# KiCad board jetson-orin-baseboard.kicad_pcb (continued)
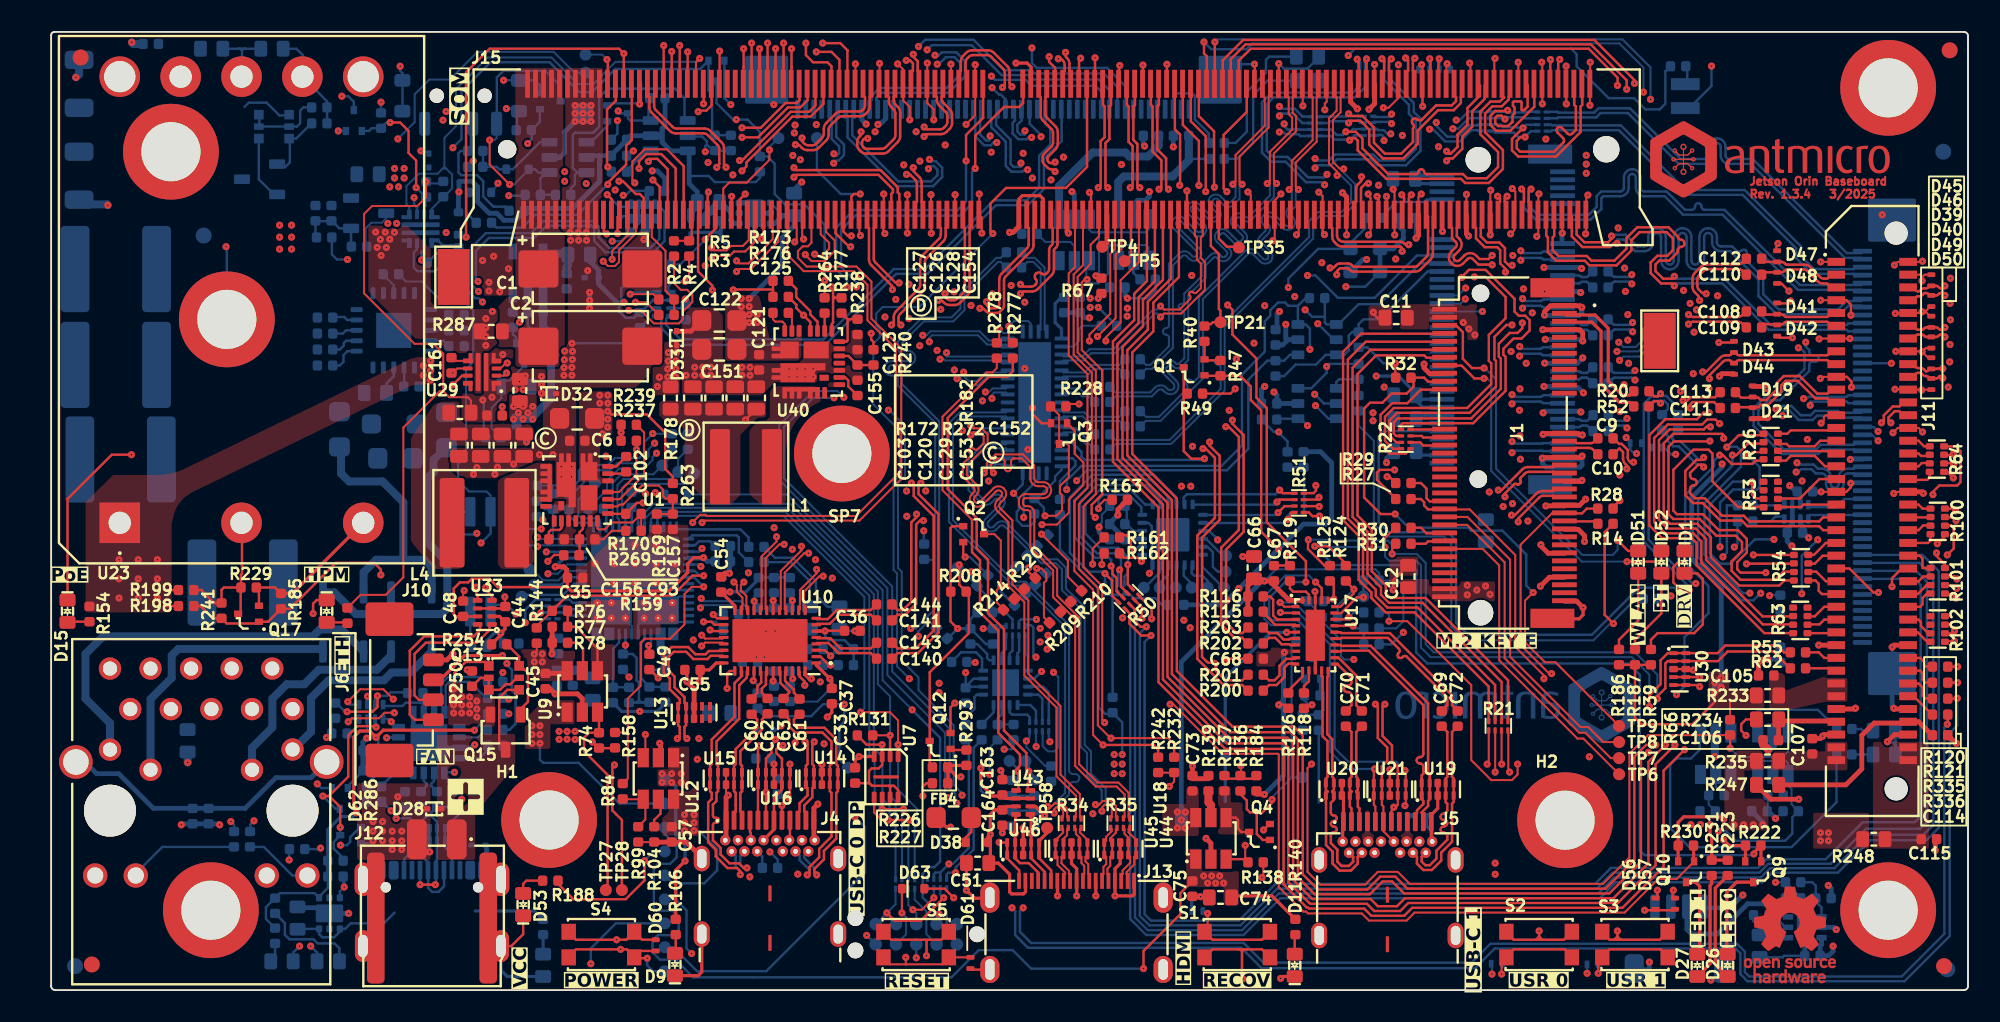
[diagram p0: board, top side]
## Routing (per net, layer and track width the routed paths; a pad name or vN(x,y) marks a point on that pad's centre or on a via; arc(x,y) is an arc through that point) (continued)
  Bottom w0.5: 30.8,43.55 C83.1 30.8,41.53 31.3,41.03 31.3,37.05 30.03,35.78 29.14,35.78
  vias: v1(28.95,36.55) v1(28.95,35.75) v1(29.25,36.15) v1(29.55,36.55) v1(29.55,35.75) v1(29.85,36.15) v1(30.15,36.55) v1(30.15,35.75) v1(30.25,20.55) v1(30.75,21.05) v1(30.75,20.55) v1(39.65,10.98) v1(39.65,10.48) v1(39.65,9.98) v1(40.25,10.98) v1(40.25,10.48) v1(40.25,9.98) v1(67.38,42.7) v1(67.36,42.2) v1(105.35,10.35) v1(105.95,10.35) v1(106.55,10.35)
+5V_SoM: length 42.4
  Top w0.125: 24.55,37.5 24.55,39.85 23.93,40.47 22.75,40.47 19.59,43.63 19.59,48.6 20.09,49.1 22.92,49.1 23.47,49.64 v1(23.47,50.62) ; 24.55,37.5 24.33,37.5 22.05,35.22 22.05,25.85 20.95,24.75 19.37,24.75 R286.2 ; 24.55,37.5 24.92,37.12 26.08,37.12 26.29,36.91 R172.2
  Bottom w0.125: 24.45,50.51 23.58,50.51 v1(23.47,50.62) ; R181.2 27.08,34.72 27.08,36.89 v1(27.02,36.95)
  vias: v1(27.6,37.12) v1(28.27,39.8) v1(29.05,37.6) v1(29.32,38.1) v1(29.55,37.6) v1(29.68,38.46) v1(30.7,38.42) v1(30.7,37.92) v1(30.7,37.38)
/Ethernet/VDD: length 1.6
  Top w0.15: 7.97,24.05 7.15,24.05 ; 7.97,25.05 7.15,25.05
  vias: v1(4.25,26.95) v1(4.25,25.75) v1(4.25,24.55) v1(5.45,26.95) v1(5.45,25.75) v1(5.45,24.55) v1(6.65,26.95) v1(6.65,25.75) v1(6.65,24.55) v1(23.3,39.1) v1(23.3,38.5) v1(23.76,39.4) v1(23.76,38.8) v1(23.75,38.2)
/HDMI/5V_HDMI: length 14.7
  Top w0.155: 59.92,11.5 60.56,11.5
  Top w0.2: v1(58.8,9.75) 58.8,11 59.08,11.28 59.55,11.28 59.77,11.5 60.56,11.5 ; v1(58.8,9.75) 58.8,8.05 C51.1 59.3,7.95 60,7.25 60,6.15 60.12,6.03 60.88,6.03 61,6.15 61,6.75 ; v1(58.8,9.75) 58.65,9.6 D38.1
  Bottom w0.155: 61.55,11.23 60.15,11.23
  Bottom w0.2: 60.15,11.23 59.03,11.23 58.8,11 v1(58.8,9.75)
/M.2/3V3_M2: length 24.2
  In1.Cu w0.2: v1(76.55,37.45) 77.55,38.45 v1(82.95,38.45)
  Bottom w0.2: 87.03,36.5 85.85,36.5 85.45,36.9 C22.1 ; 87.03,37 85.7,37 C22.1 ; C22.1 85.45,37.35 84.35,38.45 v1(82.95,38.45) ; 87.03,33.5 85.7,33.5 C24.1 ; 87.03,50.5 85.7,50.5 C21.1 85.6,51 87.03,51 ; 87.03,36 85.7,36 C23.1 85.7,35.5 87.03,35.5
  Bottom w0.3: v1(76.55,37.45) 76.73,37.27 76.73,36.73 U2.5
/Peripherals/1V8_CONN: length 4.7
  Top w0.3: 108.25,16.85 111.7,16.85 ; R234.2 108.15,15.67
/Peripherals/3V3_STDB_CONN: length 12.7
  Top w0.3: 116.17,16.72 114.12,16.72 113.35,15.95 113.35,13.85 112.35,12.85 R247.1 ; 117.74,15.96 116.9,16.8 116.25,16.8
/Supply/1V8_LDO: length 2.8
  Bottom w0.5: C142.2 32.28,45.29 32.35,45.36 R276.1 32.27,46.12 30.92,46.12 30.8,46.25
/Supply/3V3_BOOT: length 1.2
  Top w0.125: U40.23 46.38,42.19 C125.2
/Supply/3V3_EN: length 1.1
  Top w0.15: U40.19 48.42,42.39 R264.2
/Supply/3V3_FB: length 3
  Top w0.15: 49.86,42.01 R177.1 ; 49.86,42.01 R238.2 ; 49.86,42.01 49.86,40.68 49.79,40.61 U40.17
/Supply/3V3_LDO: length 3.7
  Bottom w0.3: 43.08,48 42.77,48 42.55,48.22 42.55,48.71 41.91,49.35 R273.1
  Bottom w0.5: 41.9,49.3 R273.1 40.97,48.47 40.97,48.15
/Supply/3V3_MODE1: length 8.5
  Top w0.15: R176.2 46.65,42.91 46.65,42.71 v1(47.1,42.26) 47.53,41.83 U40.21 ; v1(51.34,41.13) 51.34,40.73 51.48,40.59 R240.1
  In1.Cu w0.15: v1(47.1,42.26) 50.2,42.26 v1(51.34,41.13)
/Supply/3V3_MODE2: length 3.9
  Top w0.15: R173.2 46.64,43.92 46.64,43.39 47.53,42.52 47.53,42.31 47.97,41.86 47.97,41.28
/Supply/3V3_OUT: length 15.7
  Top w0.15: 49.05,43.35 48.95,43.25 ; 49.05,43.35 R177.2 ; 49.05,43.35 48.95,43.45 ; 48.95,43.25 48.95,43.45 ; 48.95,43.25 48.95,41.79 48.88,41.72 U40.18 ; 48.95,43.45 48.95,43.96 v1(48.88,44.03) ; C154.2 v1(43.47,35.71)
  In5.Cu w0.15: v1(43.47,35.71) 45.14,37.38 45.14,41.4 46.73,42.99 47.84,42.99 v1(48.88,44.03)
/Supply/3V3_PHASE: length 1.7
  Top w0.125: U40.24 45.92,41.72 45.78,41.86 45.33,41.86 45.19,42 C125.1
/Supply/3V3_VDD: length 2.4
  Top w0.15: U40.15 49.91,39.71 C123.2 R240.2
/Supply/3V3_VDRV: length 1.8
  Top w0.15: C155.2 49.9,37.81 49.9,38.18 49.72,38.36 U40.12
/Supply/5V_BOOT: length 1.2
  Top w0.15: U1.23 35.89,32.34 C102.2
/Supply/5V_EN: length 7.1
  Top w0.125: U1.19 35.47,30.29 35.58,30.4 35.8,30.4 36.99,31.59 38.05,31.59 38.31,31.33 38.31,30.93 38.47,30.77 R263.1 C157.1 R169.2
/Supply/5V_FB: length 4.7
  Top w0.125: R269.2 R170.1 36.4,29.28 35.09,29.28 34.66,28.85 34.26,28.85 34.2,28.92 U1.17
/Supply/5V_GATE: length 5.9
  Bottom w0.125: Q5.3 29.57,39.16 29.57,39.05 28.69,38.17 28.35,38.17 28.18,38 Q6.1 28.18,37.06 27.57,36.44 27.57,35.19 R181.1
/Supply/5V_MODE1: length 18.3
  Top w0.125: R237.2 v1(36.64,33.85) 36.64,32.27 35.56,31.19 U1.21
  Top w0.15: 32.14,27.25 31.5,27.25 v1(31.1,26.85)
  In1.Cu w0.15: v1(31.1,26.85) 31.1,26.85 33.6,29.35 37.16,29.35 38.28,30.47 38.28,32.22 v1(36.64,33.85)
/Supply/5V_MODE2: length 6.2
  Top w0.125: U1.20 35.59,30.74 37.12,32.27 37.12,34.92 R239.2
/Supply/5V_OUT: length 13
  Top w0.15: U1.18 34.88,29.82 R170.2 36.67,30.51 v1(37.06,30.51)
  In1.Cu w0.15: v1(37.06,30.51) 34.35,30.51 33.58,31.28 33.58,34.1 33.36,34.32 v1(29.76,34.32)
/Supply/5V_PHASE: length 1.4
  Top w0.15: U1.24 35.38,32.79 C102.1
/Supply/5V_VDD: length 2.2
  Top w0.15: 33.1,27.25 33.08,27.25 C93.2 33.08,28.67 33.3,28.89 U1.15
/Supply/5V_VDRV: length 1.8
  Top w0.15: U1.12 31.95,28.92 31.83,28.81 31.29,28.81 31.16,28.68 C156.2
/Supply/VCC_IN: length 7.6
  Top w0.15: 27.4,20.32 27.17,20.55 25.95,20.55 25.25,19.85 25.25,18.85
  Bottom w0.15: 13,53.32 13,50.77 13.94,49.83 Q16.2
  vias: v1(14.3,47.9) v1(14.3,47.15) v1(14.3,46.4) v1(15.05,47.9) v1(15.05,47.15) v1(15.05,46.4) v1(25.2,18.85) v1(25.2,18.35) v1(25.2,17.85) v1(25.2,17.35) v1(25.7,18.35) v1(25.7,17.85) v1(25.7,17.35) v1(26.2,18.35) v1(26.2,17.85) v1(26.2,17.35) v1(26.65,18.1) v1(26.65,17.6) v1(26.65,17.1) v1(31.8,16.2) v1(31.8,15.7) v1(32.3,16.2) v1(32.3,15.71) v1(32.8,16.2) v1(32.8,15.69)
GND: length 597.2
  Top w0.125: 87.35,56.74 87.35,57.97 v1(87.39,58.01) ; v1(94.84,57.86) 94.85,57.85 94.85,56.74 ; C93.1 34.57,28.23 35.1,28.76 R269.1 ; v1(83.4,55.25) 83.72,55.25 84.35,55.87 84.35,56.74 ; v1(57.85,57.95) 57.85,57.95 57.85,54.78 v1(57.28,54.21) ; v1(52.19,47.38) 52.1,47.47 52.1,48.54 ; 116.25,44.8 116.98,44.8 117.13,44.65 ; v1(91.84,58.1) 91.85,58.09 91.85,56.74 ; 82.85,58.04 82.85,56.74 ; 58.1,48.54 58.26,48.38 v1(58.26,47.4) ; v1(117.12,39.97) 117.5,39.6 117.7,39.6 ; v1(117.12,39.97) 117.35,40.2 117.7,40.2 ; v1(117.12,39.97) 117.1,40 J11.16 v1(115.47,40) ; v1(115.35,31.1) 115.45,31.2 J11.38 ; v1(81.1,47.29) 81.1,47.29 81.1,48.54 ; 117.7,37.6 117.12,37.6 v1(117.1,37.58) 117.07,37.6 J11.22 ; 91.6,48.54 91.6,47.59 v1(91.36,47.36) ; v1(91.47,50.19) 91.66,50 91.66,48.61 ; 88.6,48.54 88.6,49.83 v1(88.6,49.83) ; v1(110.8,31.2) J11.37 112.25,31.2 ; 117.7,44.8 117.29,44.8 117.13,44.64 117.13,44.47 ; v1(110.78,43.2) 111.75,43.2 ; 27.88,38.47 28.34,38.47 v1(28.51,38.64) ; v1(76.99,49.85) 76.6,49.46 76.6,47.05 v1(76.48,46.93) ; v1(96.33,55.41) 96.33,56.73 ; v1(85.77,49.85) 85.6,49.68 85.6,48.54 ; v1(58.1,49.85) 58.1,48.55 ; v1(117.15,45.64) 117.11,45.6 115.59,45.6 v1(115.39,45.4) ; 78.1,48.54 78.1,47.44 v1(77.96,47.3) ; v1(53.6,47.4) 53.6,47.41 53.6,48.54 ; 111.75,36 111.1,36 110.97,35.87 110.97,35.67 v1(110.8,35.5) ; v1(53.75,54.5) 53.75,55.3 53.35,55.7 53.35,57.64 v1(52.99,58) ; v1(93.35,55.5) 93.35,55.5 93.35,58.06 v1(93.31,58.1) ; 25.23,38.47 C161.1 ; v1(79.73,55.13) 79.73,55.51 79.85,55.63 79.85,56.74 ; v1(115.45,42.38) 116.22,42.38 ; v1(93,47.2) 93.1,47.3 93.1,49.82 v1(93.14,49.86) ; v1(52.12,49.85) 52.12,48.57 ; v1(79.36,49.96) 79.6,49.73 79.6,48.54 ; 50.6,48.54 50.6,47.32 v1(50.66,47.25) ; v1(110.78,45.6) 111.75,45.6 ; 90.1,48.54 90.1,50.07 v1(90.12,50.09) ; v1(90.39,58.34) 90.35,58.3 90.35,56.74 ; R237.1 v1(35.68,34.92) R239.1 ; v1(110.68,40.78) 110.7,40.8 v1(112.6,40.8) ; 111.75,38.4 110.85,38.4 v1(110.75,38.3) ; 96.1,48.54 96.1,49.68 v1(96.2,49.78) ; 94.6,48.54 94.6,47.4 v1(94.6,47.4) ; v1(96.06,47.36) 96.1,47.4 96.1,48.54 ; v1(117.12,42.47) 117.34,42.47 117.62,42.2 ; v1(117.12,42.47) 117.05,42.4 116.25,42.4 ; v1(117.12,42.47) 117.31,42.47 117.63,42.8 ; v1(56.33,57.98) 56.33,56.76 ; v1(82.45,49.85) 82.45,49.76 82.6,49.61 82.6,49.61 82.6,47.41 v1(82.48,47.29) ; v1(55.08,49.81) 55.08,48.56 ; 78.35,56.74 78.35,55.38 v1(78.36,55.37) ; U29.8 25.42,38.92 v1(25.15,38.65) ; 50.35,57.55 50.35,57.55 v1(50.35,58) ; v1(115.43,37.62) 116.22,37.62 ; 88.85,56.74 88.85,58 v1(88.8,58.05) ; v1(117.15,34.95) 116.9,35.2 115.6,35.2 v1(115.3,34.9) ; 55.1,48.54 55.1,47.39 v1(55.1,47.39) ; 96.35,56.74 96.35,58.1 v1(96.35,58.1) ; v1(84.01,50.15) 84.1,50.06 84.1,47.3 v1(84.11,47.29) ; v1(54.85,58.05) 54.85,58.05 54.85,55.55 55.25,55.15 v1(55.25,54.5) ; v1(51.86,58.03) 51.86,56.76 ; 85.81,58 85.85,57.96 85.85,56.74 ; 36.75,9.27 37.75,9.27 ; v1(53.6,49.8) 53.6,48.55 ; v1(56.59,49.81) 56.59,48.55 ; v1(25.86,25.01) 25.79,24.95 C48.1 ; 87.1,47.4 87.1,48.54 ; v1(74.92,49.98) 75.1,49.8 75.1,48.54
  Top w0.13: U15.8 42.25,12.34 v1(42.39,12.2) ; 79.14,22.2 79.14,24.41
  Top w0.15: v1(84.02,25.07) 84.02,25.67 C12.2 ; v1(79.12,24.96) 79.14,24.94 79.14,24.41 ; SP7.1 49.25,33.85 ; v1(54.57,12.16) 54.57,12.73 54.79,12.95 55.17,12.95 ; D61.1 57.62,1.28 58.77,1.28 ; v1(112.66,31.74) 112.66,31.48 112.38,31.2 J11.37 ; v1(83.8,13.8) U21.8 83.8,12.19 ; v1(115.24,25.26) 115.24,25.79 115.85,26.4 ; 111.75,38.4 112.42,38.4 112.7,38.12 v1(112.7,37.75) ; 108.05,43 108.75,43 v1(108.9,43.15) ; v1(42.7,43.85) 42.72,43.87 45.19,43.87 ; 108,46.35 108,46.65 v1(108.1,46.75) ; 64.35,56.74 64.35,58.25 v1(64.45,58.36) ; 62.85,56.74 62.85,57.75 62.48,58.12 v1(62.48,58.45) ; v1(102.8,20.04) 102.74,20.1 U30.8 101.56,20.1 ; D48.2 108.31,44.25 v1(108.79,43.78) ; 77.55,26.58 76.55,26.58 ; 85.85,56.74 85.85,55.35 v1(85.86,55.34) ; v1(38,19.55) 37.48,20.06 37.45,20.06 ; v1(37.31,2) 36.55,2 S4.4 ; 36.5,2.05 36.9,2.45 37.95,2.45 ; 77.33,26.66 v1(77.33,27.22) ; v1(26.05,20.05) 26.35,19.75 ; 57.1,28.05 57.1,27.24 v1(57.22,27.12) ; v1(99.75,5) 101.5,5 ; 66.85,56.74 66.85,57.85 v1(66.9,57.9) ; 56.3,16.05 56.3,17.7 v1(56.58,17.97) ; 76.85,56.74 76.85,58.02 v1(76.85,58.02) ; 68.35,56.74 68.35,57.92 v1(68.35,57.92) ; v1(65.35,58.38) 65.35,58.38 65.35,56.74 ; v1(114.39,24.9) 114.07,24.9 112.57,26.4 J11.49 ; v1(71.1,50.05) 71.1,49.36 71.1,49.35 71.1,48.54 ; 44.6,48.54 44.6,47.2 v1(44.45,47.05) ; 75.35,56.74 75.35,57.96 v1(75.33,57.98) ; 62.6,35.5 62,35.5 61.43,36.07 v1(61.43,36.45) ; v1(79.71,47.31) 79.6,47.42 79.6,48.54 ; v1(82.77,42.45) 82.77,42.36 83.05,42.08 83.47,42.08 ; 45.19,43.87 R176.1 ; 45.19,43.87 R173.1 ; 48.25,12.86 U14.8 v1(48.25,14.12) ; 28.16,2.75 28.8,2.75 29.55,3.5 D53.1 ; v1(69.85,57.97) 69.85,57.97 69.85,56.74 ; 76.3,10.4 76.28,10.4 v1(75.9,10.03) ; 74.92,20.75 73.7,20.75 v1(73.5,20.55) ; 111.75,43.2 112.39,43.2 112.67,42.92 v1(112.67,42.26) ; 45.25,12.86 U16.8 v1(45.25,14.15) ; v1(109,40.85) 108.2,40.85 108.05,41 ; v1(94.85,55.49) 94.85,55.49 94.85,56.74 ; v1(74.6,27.15) C66.2 ; 78.61,17.64 78.84,17.86 v1(78.93,17.86) ; 105.3,40.55 v1(104.4,40.55)
  Top w0.155: S1.3 72.7,2.55 74.35,2.55 ; 91.1,3.65 91.1,3.6 91.55,3.15 92.95,3.15 ; 97.1,3.65 97.1,3.6 97.55,3.15 97.8,3.15 ; 98.05,3.35 97.85,3.15 97.8,3.15 ; 98.05,3.35 98.05,3.15 ; 98.05,3.35 98.25,3.15 98.3,3.15 ; 98.05,3.35 v1(98.05,3.7) ; 93.15,3.35 93.35,3.15 ; 93.15,3.35 v1(93.15,3.7) ; 93.15,3.35 93.15,3.15 ; 93.15,3.35 92.95,3.15 ; 93.35,3.15 94.7,3.15 95.2,3.65 ; 93.35,3.15 93.15,3.15 ; 101.2,3.65 100.7,3.15 98.3,3.15 ; 74.35,2.55 74.55,2.55 ; 74.35,2.55 74.45,2.55 74.55,2.45 ; 74.55,2.55 74.55,2.45 ; 74.55,2.55 74.85,2.55 ; 74.55,2.45 74.55,0.75 v1(74.6,0.7) ; 74.55,2.45 74.65,2.55 74.85,2.55 ; 76.5,2.05 76.5,2.05 ; 74.85,2.55 75.8,2.55 S1.4 ; 98.05,3.15 98.3,3.15 ; 98.05,3.15 97.8,3.15 ; 93.15,3.15 92.95,3.15 ; 32.4,2.05 32.4,2.1 32.85,2.55 v1(35.65,2.55) 36.05,2.55 36.5,2.1 36.5,2.05 ; 50.64,22.5 50.62,22.49 v1(50.31,22.49)
  Top w0.2: 44.35,56.74 44.35,58.95 v1(44.35,58.95) ; 79.14,20 79.14,22.2 ; J5.B12 80.85,10.5 J5.A1 80.9,12.09 80.8,12.19 U20.8 ; U19.8 86.8,11.38 86.4,10.97 J5.A12 86.4,9.35 J5.B1 ; v1(64.2,5.9) 64.2,7.6 63.88,7.92 U45.8 ; v1(104.7,9.4) 105.05,9.05 106.06,9.05 106.06,8.08 106.05,8.06 ; v1(59.45,13.75) 59.55,13.65 59.55,13.19 ; 63,6.75 v1(63,5.9) ; v1(48.59,17.1) 48.87,17.38 48.87,17.92 ; v1(76.97,0.73) 77.09,0.85 D11.1 ; 27.45,23.4 28.06,23.4 28.41,23.06 28.41,22.61 v1(28.15,22.35) 28.15,22.23 27.56,21.65 ; v1(95.9,23.95) 95.9,23.5 95.65,23.25 94,23.25 ; 61.14,11.5 61.62,11.5 v1(62.2,10.93) ; v1(59.55,9.85) 59.55,10.31 ; J4.SH 40.73,1.13 40.5,0.9 D9.1 ; C51.2 v1(57.3,6.25) 57.8,5.75 58.78,5.75 ; 62.1,48.54 62.1,49.55 61.9,49.75 60.8,49.75 60.6,49.55 60.6,48.54 ; U44.8 66.92,7.92 66.6,7.6 v1(66.6,5.9) 67.7,5.9 67.8,6 67.8,6.75 ; 39.67,20.05 39.8,19.92 v1(39.8,19.31) ; 60.85,8.47 U46.8 v1(60.85,10.15) ; 101.85,8.1 101.85,10.5 102.2,10.85 104.55,10.85 v1(104.7,10.7) ; 71.45,5.86 71.47,5.85 v1(71.95,5.85) 72,5.9 72.5,5.9 ; v1(60.4,58.05) 61.09,58.05 61.35,57.8 61.35,56.74 ; 65.4,6.75 v1(65.4,5.9) ; 50.33,13.86 50.33,14.38 v1(50.57,14.62) U7.4
  Top w0.3: v1(80.84,49.93) 81.1,49.67 81.1,48.54 ; 95.85,33.47 95.73,33.35 93.39,33.35 v1(93.35,33.31) ; v1(39.8,19.31) 40.25,18.86 U13.8 40.25,17 ; 81.35,56.74 81.35,55.61 v1(81.77,55.19) ; 95.83,31.89 95.79,31.85 94.75,31.85 ; 63.6,48.54 63.6,47.49 v1(63.69,47.4) ; v1(107.45,20.72) 107.17,20.72 106.88,20.43 106.88,19.7 ; 94.75,28.85 95.6,28.85 95.99,28.46 v1(95.99,28.09) ; 106.49,35.8 107.41,35.8 v1(107.45,35.84) ; 31.37,22.75 31.37,22.11 ; 31.37,22.11 31.35,22.1 v1(31.35,21.05) ; 31.37,22.11 31.37,21.75 ; v1(117.95,8.75) 117.95,9.36 118.03,9.45 ; v1(25.15,21.05) 24.77,20.67 23.8,20.67 ; C122.1 40.06,41.26 D33.2 ; v1(115.25,21.48) 115.37,21.6 J11.62 ; 111.75,16 111,16 v1(110.9,15.9) 110.75,15.75 110.25,15.75 ; 118.74,15.96 119.25,15.45 v1(119.27,15.45) ; 105.35,38.6 104.6,38.6 v1(104.44,38.44) ; 37.75,9.27 39.77,9.27 40.73,8.3 ; 82.85,56.74 82.85,55.5 v1(82.5,55.15) ; v1(93.4,34.8) 93.45,34.85 95.6,34.85 95.69,34.76 v1(95.85,34.76) ; v1(114.95,15.55) 115.4,16 116.25,16 ; v1(93.57,30.32) 94.72,30.32 94.75,30.35 95.67,30.35 v1(96.06,30.74) ; 23.2,8.65 v1(23.7,8.65) ; 106.49,37.8 107.27,37.8 v1(107.4,37.67) ; 85.6,48.54 85.6,47.24 v1(85.45,47.09) ; v1(95.9,23.95) 95.5,24.35 94.75,24.35 ; v1(36.84,55.48) 36.85,55.49 36.85,56.74 ; v1(95.82,42.75) 95.72,42.85 93.85,42.85 93.49,42.49 v1(93.49,42.27) ; v1(38.1,15.45) 38.15,15.4 38.15,14.55 ; 94.75,27.35 93.72,27.35 93.26,27.81 v1(93.26,27.89) ; 87.25,38.6 86.3,38.6 85.95,38.95 v1(85.95,39.2) ; v1(42.46,26.1) 42.17,26.1 41.95,25.89 ; v1(71.45,14.03) 71.45,13.23 72.45,13.23 ; v1(115.35,17.65) 115.4,17.6 J11.72 ; v1(88.73,47.22) 88.6,47.35 88.6,48.54 ; v1(60,47.45) 60.21,47.45 60.6,47.84 ; v1(42.39,12.2) 42.25,12.06 J4.A1 42.25,9.44 ; 30.95,18.86 31.23,18.86 v1(31.55,18.55) 32.95,18.55 33.25,18.25 33.25,17.4 ; v1(93.38,41.36) 93.39,41.35 95.69,41.35 95.88,41.16 v1(95.88,40.65) ; v1(93.23,25.29) 93.79,25.85 94.75,25.85 ; v1(90.09,47.29) 90.09,48.54 90.1,48.54 ; J11.38 117.11,31.2 v1(117.2,31.11) ; v1(72.3,9.5) 72.6,9.2 U18.2 ; J11.61 v1(110.65,21.6) ; v1(112.95,17.65) 112.9,17.6 J11.71 ; v1(48,11.65) 47.75,11.4 J4.A12 47.75,9.44
  Top w0.5: v1(107.5,15.05) 107.16,15.39 107.16,15.65
  Bottom w0.125: v1(112.6,40.8) 112.65,40.75 113.4,40.75 ; D59.1 v1(96.15,1.05) ; 104.19,11.2 103.76,11.62 103.76,12.2 ; 67.36,43.33 v1(67.38,43.32) ; 85.81,58 85.6,57.79 ; D58.1 90.2,1.6 v1(90.2,1) ; v1(60,47.45) 60.67,47.45 60.77,47.35 ; v1(107.95,10.75) 108.4,11.2 108.41,11.2 ; v1(87.39,58.01) 87.6,57.8 ; 29.15,54.03 29.15,55.03 ; 107.44,11.2 107.47,11.23 107.47,12.2
  Bottom w0.13: v1(65.6,28.99) 65.6,29.1 65.78,29.28 65.78,29.77 66.33,30.32 ; v1(57.22,27.12) 57.52,27.12 58.64,25.99
  Bottom w0.15: 78.65,57.7 79.35,57 D25.1 ; 78.65,57.7 79.35,58.4 D24.1 ; 78.65,57.7 77.17,57.7 v1(76.85,58.02) ; SP8.1 11,46.5 v1(10.95,46.55) ; v1(32.6,40.5) 36.61,40.5 36.85,40.74 C97.1 ; 72.05,28.75 72.5,28.75 73.03,28.22 v1(73.03,28.19) ; TP23.1 37.67,1.18 37.31,1.54 v1(37.31,2) ; 42.55,52.56 41.55,52.56 ; U48.8 23.35,46.38 23.19,46.22 v1(23.19,45.72) ; 37.98,20.06 38.45,20.06 ; 37.98,20.06 37.45,20.06 ; 37.98,20.06 37.98,19.56 v1(38,19.55) ; D54.1 108.39,2.05 108.49,2.15 C130.2 ; 39.9,25.05 39.26,25.05 38.81,25.5 U6.59 ; v1(28.33,56.98) 29.14,56.98 29.15,56.97 30.28,56.97 30.6,56.65 30.6,56.15 ; v1(99.25,33.6) 99.1,33.6 98.85,33.85 D23.2 ; 115.3,15.5 115.45,15.35 ; 115.3,15.5 115.45,15.5 ; 115.3,15.5 115,15.5 v1(114.95,15.55) ; 115.3,15.5 115.35,15.5 115.45,15.6 ; 115.45,15.35 D18.1 ; 115.45,15.35 115.45,15.5 ; v1(112.66,31.74) 112.67,31.75 113.4,31.75 ; 25.15,12.44 v1(25.15,12.9) ; Q8.2 42.15,55.85 v1(42.55,55.45) ; 45.48,7.65 45.48,8.17 v1(45,8.65) ; v1(14.9,8.15) 14.9,8.81 R271.1 ; v1(17.24,15.82) 17.49,16.07 C159.2 17.55,16.09 17.55,17.07 ; C34.1 18.28,6.52 v1(18.35,6.45) 18.08,6.17 U8.3 ; v1(115.25,21.48) 115.25,19.8 ; v1(37.21,31.09) 37.11,31.19 36.33,31.19 ; 26.06,51.55 26.08,51.55 26.42,51.9 v1(26.42,51.92) ; 22.15,12.44 22.03,12.44 v1(21.7,12.1) ; R285.1 v1(20.65,55.6) ; v1(36.45,52.55) 36.15,52.25 36.03,52.25 ; 108.25,24.73 107.61,24.73 v1(107.57,24.7) ; 41.05,52.95 41.44,52.56 ; 41.05,52.95 41.05,53.15 40.75,53.45 40.15,53.45 ; 41.05,52.95 40.95,52.85 v1(40.95,52.5) ; v1(23.15,52.55) 23.24,52.46 23.65,52.46 ; 29.66,49.8 29.62,49.75 v1(28.65,49.75) ; 25.45,15.17 24.08,15.17 ; 102.38,55.23 102.55,55.23 103.94,56.62 v1(103.94,57.86) ; v1(84.65,22.4) 83.9,21.65 83.14,21.65 ; v1(62,19.95) 61.55,19.5 U34.6 ; v1(68.75,26.1) 68.9,26.25 68.9,29.05 68.7,29.25 68.25,29.25 ; 17.58,47.14 17.58,46.07 17.9,45.75 v1(18.55,45.75) ; R283.1 25.17,44.83 25.17,45.15 25.5,45.47 C160.1 25.44,45.52 24.81,46.15 24.15,46.15 R284.1 ; v1(19.81,18.4) 19.78,18.36 U47.2 ; 45.48,13.23 45.25,13.47 v1(45.25,14.15) ; v1(36.84,55.48) 36.8,55.53 34.94,55.53 34.81,55.4 ; v1(58.9,56.51) 59.34,56.07 59.46,56.07 59.75,55.78 59.75,55.2 ; v1(51.06,3.42) 51.62,2.86 J9.5 ; 35.06,53.25 35.45,53.64 v1(35.45,54.45) ; C31.2 19.52,13.72 18.57,12.77 Q20.2 ; 35.8,20.08 35.8,19.98 v1(36.18,19.6) ; 17.27,54.28 17.27,55.28 ; 29.15,55.03 28.98,55.2 v1(28.5,55.2) ; v1(21.85,57.85) 21.85,57.56 22,57.41 22,55.05 SW1.S1 ; C83.2 29.84,41.61 30.11,41.34 30.11,40.68 ; v1(79.1,37.31) 79.68,36.73 U2.2 ; 115.45,15.6 115.45,15.5 ; 115.45,15.6 D20.1 ; 28.4,17.3 v1(28.65,17.3) ; v1(78.93,17.86) 78.74,17.86 78.47,18.14 78.47,18.45 78.45,18.47 78.45,19.5 ; 104.7,1.34 104.7,0.8 104.53,0.62 v1(103.9,0.62) ; U6.20 33.84,25.05 35.36,26.57 35.36,26.7 ; 113.4,42.25 112.68,42.25 v1(112.67,42.26) ; U23.5 17.27,55.66 R251.1 ; v1(37.11,47) 37.17,47.06 37.17,47.32 ; J9.3 54.16,2.86 v1(54.16,2.02) ; v1(22.73,49.62) 22.73,49.17 22.9,49 U48.2 ; 46.25,22.97 46.61,22.6 D5.1 ; v1(45.69,16.55) 45.44,16.3 45.26,16.3 ; v1(45.24,55.45) 44.81,55.89 44.81,57.3 ; 109.53,5.75 109.53,5.78 108.56,6.75 v1(107.95,6.75) ; J9.9 55.43,4.83 ; R157.1 15.35,58.95 15.76,58.54 15.76,57.24 ; Q21.2 20,9.2 v1(20.15,9.35) ; 61.25,55.2 61.25,54.25 61.93,53.58 61.93,53.48 v1(61.97,53.44) ; 113.4,37.75 v1(112.7,37.75) ; 54.62,27.91 v1(54.62,28.76) ; v1(75.33,57.98) 74.14,57.98 ; 100.85,34.1 101.4,33.55 v1(101.7,33.55) ; 113.4,39.25 v1(115.2,39.25) ; 80.29,40.73 v1(79.29,41.73) ; Q22.2 v1(17.98,53.8)
  Bottom w0.155: 57.33,20.55 57.82,20.55 v1(57.85,20.52) ; v1(50.31,22.49) 49.46,22.49 D4.1 ; 37.05,41.67 37.4,42.01 37.4,42.39 37.71,42.7 38.06,42.7 ; 57.25,17.97 56.58,17.97 v1(56.58,17.97) ; 69.14,44.5 69.14,43.83 68.62,43.32 v1(67.38,43.32) ; U8.7 17.42,3.83
  Bottom w0.2: D30.2 40.19,47.45 41.75,47.45 ; 28.31,21.7 28.15,21.86 v1(28.15,22.35) 27.74,22.35 27.28,21.89 27.28,21.49 ; 28.17,2.64 28.17,1.23 28.55,0.85 D8.1 ; 42.2,46.75 41.94,47.02 41.94,47.28 ; 41.94,48.15 41.94,47.67 ; 41.94,47.67 41.94,47.48 ; 41.94,47.67 41.94,47.64 41.75,47.45 ; v1(71.95,5.85) 71.65,5.85 71.4,5.6 71.4,4.95 ; 41.94,47.48 41.9,47.45 41.75,47.45 ; 41.94,47.48 41.94,47.28 ; 41.94,47.28 41.92,47.28 41.75,47.45 ; 24.08,15.17 23.98,15.17 U5.17 ; 35.17,17.99 35.72,17.45 v1(36.85,17.45) 37.95,17.45 38.45,17.95 38.45,18.02 ; v1(18.35,6.45) 18.34,6.47 18.34,7.05 ; 41.95,25.89 42.53,26.47 42.53,26.85 ; D10.2 86.1,10.27 86.45,9.92 J5.B1
  Bottom w0.3: v1(93.4,34.8) 94.53,34.8 94.58,34.75 95.84,34.75 v1(95.85,34.76) ; v1(107.95,10.75) 107.5,11.2 107.44,11.2 ; 93.8,31.65 94.07,31.92 v1(95.83,31.92) ; v1(104.7,10.7) 104.69,10.7 104.19,11.2 ; 31.15,52.15 31.85,52.15 32.15,52.45 32.15,53.75 v1(32.8,54.4) ; U41.7 44.05,49.05 43.8,49.3 U41.3 43.5,49.3 ; U41.7 44.05,47.45 v1(44.45,47.05) ; U41.7 45.03,48.65 ; 22.67,17.3 22.67,16.47 U5.17 23.95,15.5 24.27,15.17 ; v1(23.7,8.65) 23.65,8.7 U11.8 ; 46.47,49.9 46.47,50.08 v1(46.99,50.6) ; 70.25,53.5 v1(70.25,52.8) ; 27.05,7.39 27.26,7.6 27.26,8.85 ; 67.75,48.35 67.75,49.2 68,49.45 68.5,49.45 68.75,49.7 v1(68.75,50) ; v1(32.8,54.4) v1(33.8,54.4) ; v1(32.8,54.4) v1(32.8,55.4) ; v1(32.8,54.4) v1(33.8,55.4) ; 52.25,55.2 52.25,54.58 51.96,54.28 51.83,54.28 v1(51.76,54.21) ; v1(95.76,36.2) 95.71,36.25 93.5,36.25 v1(93.4,36.15) ; v1(18.62,4.81) U8.7 17.08,5.16 15.55,5.16 ; v1(115.35,17.65) 115.25,17.75 115.25,19.8 ; 99.25,1.28 99.97,1.28 100.05,1.35 v1(100.05,1.75) ; 108.25,20.52 108.04,20.72 v1(107.45,20.72) ; 109.5,29.65 109.5,29.2 109.65,29.05 109.65,28.67 110,28.33 v1(110.03,28.33) ; v1(8.15,10.35) 8.21,10.41 10.49,10.41 v1(10.55,10.35) ; v1(33.8,54.4) v1(33.8,55.4) ; v1(33.8,54.4) v1(32.8,55.4) ; 64.05,48.35 64.05,49.85 v1(63.9,50) ; 37.3,48.47 37.3,47.55 ; v1(33.8,55.4) v1(32.8,55.4) ; v1(105.9,5.95) 105.1,5.15 103.55,5.15 ; v1(93.45,45.25) 95.75,45.25 v1(95.81,45.19) ; 42.53,26.86 42.46,26.79 v1(42.46,26.1) ; v1(95.88,40.65) 95.78,40.75 v1(93.53,40.75) ; 76.74,41.45 76.74,42.34 v1(76.89,42.49) ; v1(83.6,33.03) 83.6,33.3 C24.2 ; v1(65.6,28.99) 65.6,28.68 66.06,28.22 66.36,28.22 ; v1(95.75,43.68) 95.62,43.68 95.55,43.75 v1(93.49,43.75) ; v1(33.3,54.4) v1(33.3,55.4) ; v1(37.62,51.3) 37.95,51.3 38.42,50.83 38.42,50.04 ; 63.4,42.42 64.4,42.42 64.71,42.1 v1(65,42.1) ; v1(31.55,18.55) 31.8,18.8 31.8,19.06 ; 113.4,33.25 112.65,33.25 v1(112.63,33.23) ; 94.58,46.75 94.58,47.38 v1(94.6,47.4) ; v1(95.88,39.59) 95.54,39.25 93.51,39.25 v1(93.5,39.26) ; v1(75.97,37.8) 75.77,37.59 75.77,36.73 ; 50.75,55.2 50.75,54.5 v1(51.02,54.23) ; 85.46,48.22 85.46,47.1 v1(85.45,47.09) ; 68.36,53.5 68.36,52.94 v1(68.45,52.85) ; v1(84.01,50.15) 84.01,50.79 ; v1(19.76,15.78) 19.52,15.53 19.52,13.75 ; Y1.2 82.12,45.75 v1(82.35,45.75) ; v1(111.75,3.79) 111.61,3.93 U35.5 U35.7 C130.2 ; v1(93.45,37.8) 94.53,37.8 94.58,37.75 95.57,37.75 v1(95.92,37.4) ; v1(93.49,42.27) 93.51,42.25 95.65,42.25 95.82,42.42 v1(95.82,42.75) ; 67.23,44 67.23,43.46 v1(67.38,43.32) ; 31.75,21.06 31.37,21.06 v1(31.35,21.05) ; v1(33.8,54.9) v1(32.8,54.9) ; 24.08,15.17 26.33,15.17 v1(26.52,15.36) ; v1(33.71,42.69) v1(33.71,43.69) ; 110.37,31.2 v1(110.8,31.2) ; 42.53,27.8 42.53,26.85 ; 93.59,32.75 95.72,32.75 95.84,32.87 v1(95.84,33.44) 95.65,33.25 93.41,33.25 v1(93.35,33.31) 93.35,32.99 93.59,32.75
  Bottom w0.5: 27.05,7.39 27.59,7.39 28.17,6.81 ; 20.65,7.39 20.1,7.39 19.53,6.81 ; v1(1.55,57.15) 1.75,57.35 1.75,58.55 ; 5.75,59.25 5.15,59.25 v1(5.05,59.35) ; v1(3.55,49.15) 3.5,49.2 1.75,49.2 ; v1(8.55,14.25) 8.55,14.9 C77.1 ; U24.2 107.78,15.33 v1(107.5,15.05) ; v1(104.15,14.63) 104.15,16.05
  vias: v1(20.15,10.55) v1(20.15,9.95) v1(20.75,10.55) v1(20.75,9.95) v1(20.75,9.35) v1(21.35,9.95) v1(21.35,9.35) v1(21.35,8.8) v1(21.95,9.95) v1(21.95,9.35) v1(21.95,8.8) v1(26.44,32.3) v1(26.65,32.72) v1(27.01,45.69) v1(27.41,44.32) v1(27.41,43.78) v1(27.7,45.95) v1(27.78,32.3) v1(27.94,32.74) v1(28.08,43.73) v1(28.63,45.17) v1(28.95,32.94) v1(30.57,33.53) v1(31.42,33.53) v1(31.93,32.78) v1(31.93,32.14) v1(32.15,40.01) v1(32.13,39.47) v1(32.11,38.98) v1(32.1,38.5) v1(32.5,47.44) v1(32.52,46.95) v1(32.59,32.78) v1(32.58,32.14) v1(32.64,40) v1(32.63,39.49) v1(32.6,39) v1(32.6,38.5) v1(33,47.44) v1(33.02,46.95) v1(33.3,54.9) v1(33.5,47.44) v1(33.52,46.95) v1(33.59,45.05) v1(33.71,43.19) v1(34.73,33.43) v1(39.75,38.5) v1(40.29,39) v1(40.29,38.5) v1(40.2,21.92) v1(40.79,39) v1(40.79,38.5) v1(40.95,45.36) v1(41.12,51.83) v1(41.29,39) v1(41.29,38.5) v1(42.67,51.05) v1(43.25,39) v1(43.25,38.5) v1(43.75,39) v1(43.75,38.5) v1(43.74,7.09) v1(44.15,20.85) v1(44.65,20.85) v1(44.75,22.47) v1(45.26,28.96) v1(45.32,22.48) v1(46.2,38.9) v1(46.2,38.4) v1(46.43,52.27) v1(46.4,27.6) v1(46.57,54.17) v1(46.53,53.67) v1(46.58,15.5) v1(46.7,38.9) v1(46.7,38.4) v1(46.74,7.26) v1(46.9,52) v1(47.2,38.9) v1(47.2,38.4) v1(47.7,38.9) v1(47.7,38.4) v1(47.85,26.95) v1(47.9,54.2) v1(48.15,19.3) v1(48.39,15.42) v1(48.9,25.8) v1(51.58,53.75) v1(52.2,42.15) v1(52.88,43.25) v1(53.38,51.67) v1(53.55,31.25) v1(53.56,29.67) v1(53.7,44.2) v1(53.7,42.05) v1(54.15,53.75) v1(54.39,51.91) v1(54.38,40.35) v1(54.75,31.26) v1(55.46,40.06) v1(55.58,4.77) v1(55.69,42.63) v1(55.97,52.92) v1(56.53,43.72) v1(56.54,38.83) v1(57.05,35.03) v1(57.59,42.87) v1(58.3,36.9) v1(58.69,31.88) v1(58.85,52.47) v1(58.92,43.59) v1(60.1,44.12) v1(60.85,52.4) v1(60.95,43.08) v1(60.95,38.92) v1(61.15,33.85) v1(61.43,50.85) v1(62.59,50.74) v1(63.37,52.16) v1(65.21,11.04) v1(67,51.7) v1(71.4,44.75) v1(71.45,34.05) v1(73.75,36.3) v1(74.19,39.53) v1(75.3,40.51) v1(75.97,42.86) v1(77.85,43.43) v1(79.55,45.55) v1(82.75,36.15) v1(82.75,35.65) v1(82.85,57.96) v1(83.1,50.4) v1(83.45,37.76) v1(84.17,45.78) v1(84.34,57.94) v1(84.59,53.52) v1(85.79,57.95) v1(86.85,52.81) v1(87.1,47.51) v1(90.03,31.19) v1(90.9,30.28) v1(91.39,39.99) v1(91.5,46) v1(91.48,30.46) v1(91.95,37.65) v1(91.92,36.31) v1(91.94,34.7) v1(91.98,33.24) v1(92.17,43.91) v1(92.34,39.25) v1(92.45,29.37) v1(92.72,42.41) v1(93.57,53.29) v1(96.1,52.28) v1(96.1,51.72) v1(96.1,51.15) v1(98.1,47.73) v1(98.21,36.23) v1(98.2,32.25) v1(98.5,45.21) v1(98.47,37.91) v1(98.55,43.75) v1(98.6,34.6) v1(98.7,42.3) v1(98.7,40.7) v1(98.75,39.25) v1(102,37.5) v1(102.19,43.81) v1(102.6,43) v1(102.85,41.2) v1(102.8,38.6) v1(103,42.6) v1(103.78,37.67) v1(104.32,43.48) v1(109.61,31.88) v1(109.94,34.48) v1(114.62,48.55) v1(117.12,44.41) v1(118.76,37.76) v1(118.88,43) v1(118.88,40.42) v1(118.85,39.34) v1(118.9,44.58) v1(118.9,41.97)
